# KiCad board gd rev3.kicad_pcb (continued)
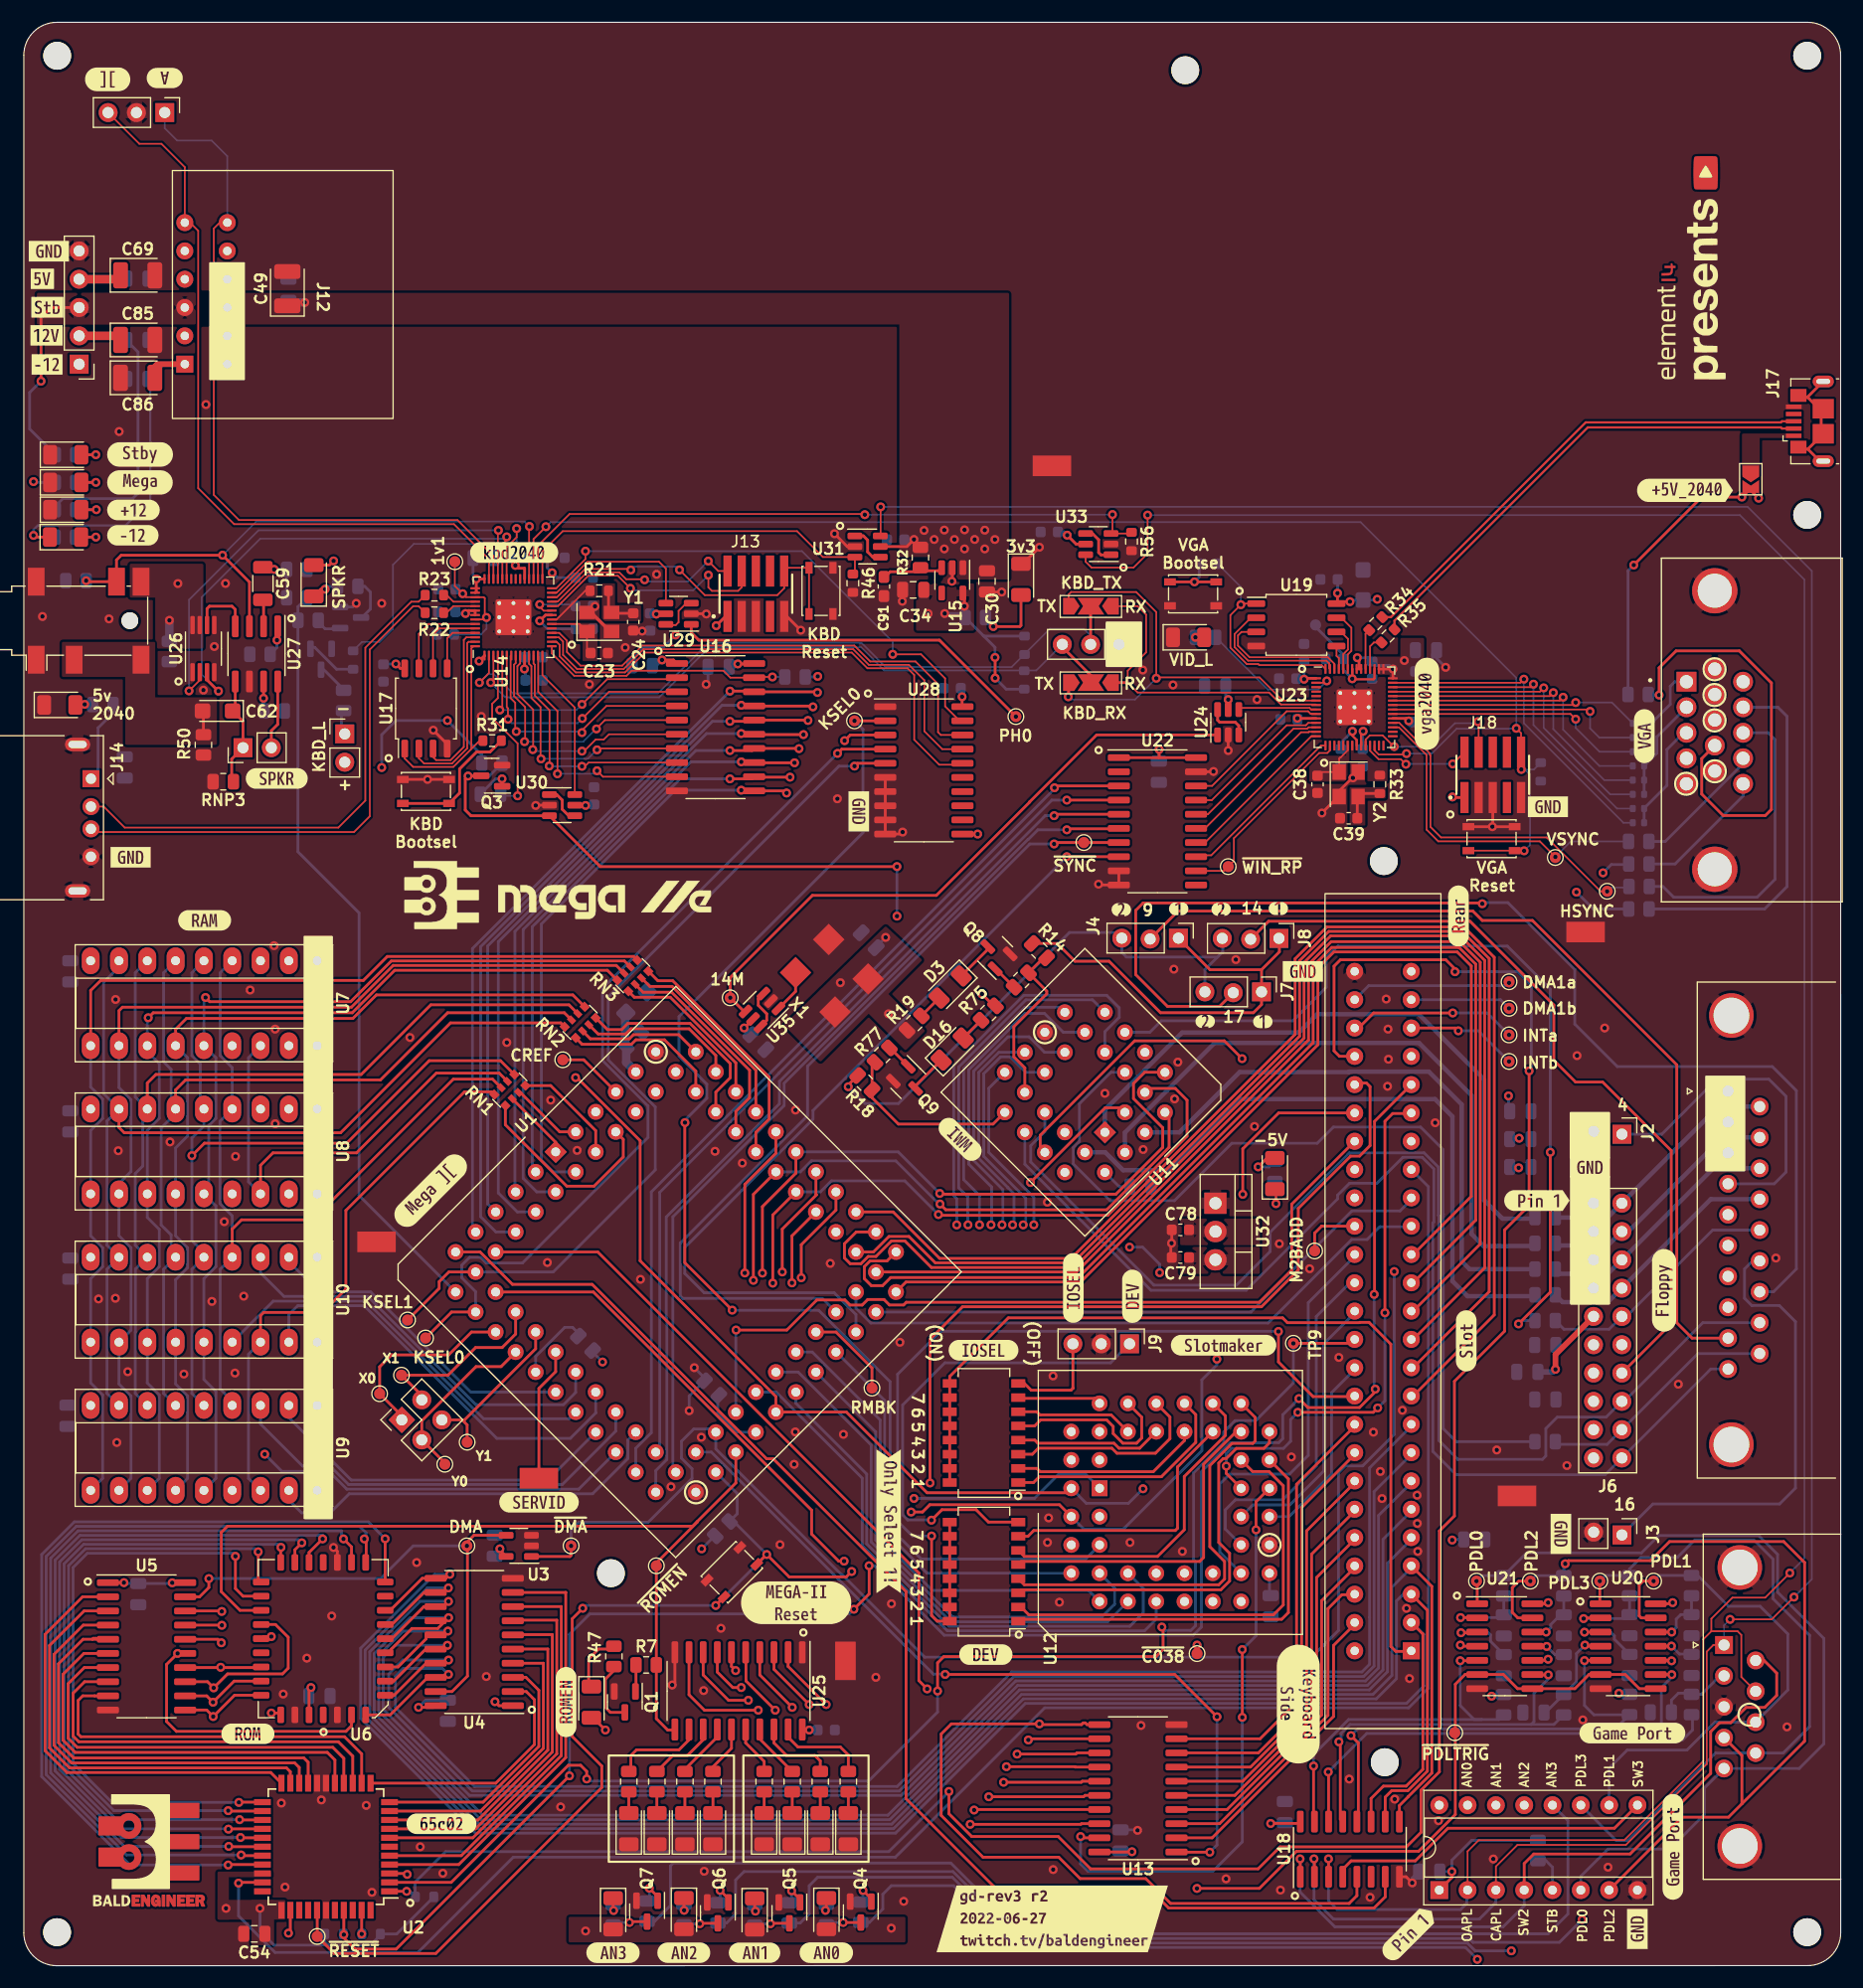
[diagram p0: board, top side]
## Routing (per net, layer and track width the routed paths; a pad name or vN(x,y) marks a point on that pad's centre or on a via; arc(x,y) is an arc through that point) (continued)
/Slot/~{IRQ}: length 207.3
  Top w0.25: v1(73.6,36.3) 73.11,36.3 70.69,38.73 70.69,40.87 51.1,60.45 U1.15 ; 119.55,79.2 120.47,79.2 120.79,78.88 120.79,73.59 119.85,72.65 119.05,72.65 114.35,67.95 114.35,62.43 111.05,59.13 84.23,59.13 81.31,56.21 v1(81.31,43.32) ; U2.43 v1(30.31,2.85)
  In1.Cu w0.25: v1(81.31,43.32) 80.3,43.32 73.6,36.62 v1(73.6,36.3) 73.32,36.03 73.32,24.3 76.82,20.8 76.82,3.11 75.29,1.59 31.57,1.59 v1(30.31,2.85)
/Slot/~{NMI}: length 211.6
  Top w0.25: v1(34.35,6.67) 32.82,6.67 ; v1(128.41,89.19) 128.41,89.44 127.59,90.26 118.13,90.26 117.56,89.69 117.56,82.09 118.05,81.6 J10.29 ; v1(135.06,80.29) 135.06,68.21 132.86,66.01 132.86,56.94 128.36,52.44 128.36,40.36 127.01,39.01 127.01,17.4 125.36,15.75 125.36,11.97 124.06,10.67 112.72,10.67 110.74,8.69 95.71,8.69 92.81,11.59 85.05,11.59 83,13.64 v1(83,15.64)
  Bottom w0.25: 35.11,6.2 35.11,7.49 37.86,10.24 77.61,10.24 83,15.63 v1(83,15.64) ; v1(135.06,80.29) 135.26,80.49 135.26,87.94 134.01,89.19 v1(128.41,89.19) ; v1(34.35,6.67) 34.63,6.67 R2.2
/Slot/~{RDY}: length 169.3
  Top w0.25: v1(74.48,31.99) 75.85,33.36 75.85,35.88 v1(75.84,35.89) ; J10.21 121.19,75.76 121.19,60.27 v1(121.16,60.24) ; v1(114.41,50.89) 115.22,50.08 119.84,50.08 121.26,51.5 v1(121.26,51.74) ; v1(48.96,17.04) 33.42,1.5 29.72,1.5 28.71,2.5 v1(28.71,2.79) U2.41
  Bottom w0.25: v1(74.48,31.99) 74.05,31.56 50.78,31.56 48.96,29.74 v1(48.96,17.04) ; v1(121.26,51.74) 121.16,51.84 v1(121.16,60.24) ; v1(114.41,50.89) 112.96,49.44 112.96,47.29 112.6,46.93 108.25,46.93 105.66,44.34 105.66,30.39 104.92,29.65 82.58,29.65 76.35,35.89 v1(75.84,35.89)
/VID_RX: length 29.1
  Top w0.152: JP1.1 99.93,121.99 100.69,121.22 100.69,117.84 99.04,116.19 99.04,115.13 99.94,114.24 111.73,114.24 112.8,113.17 115.9,113.17 U23.7
  Top w0.25: JP2.1 99.04,115.13
/VID_TX: length 41
  Top w0.152: U23.6 112.95,113.52 110.87,115.6 101.69,115.6 v1(101.61,115.52) 101.61,121.46 99.81,123.26 93.96,123.26 93.74,123.03 JP1.3
  Top w0.25: JP2.3 93.74,113.89 v1(93.71,113.86)
  Bottom w0.152: v1(93.71,113.86) 93.96,113.6 99.69,113.6 v1(101.61,115.52)
/video/14M_RP: length 6.8
  Top w0.152: U23.8 115.5,112.72 115.36,112.86 109.16,112.86
/video/BLU0: length 29.3
  Top w0.152: U23.41 134.27,115.12 v1(134.59,115.44)
  Bottom w0.152: R38.2 143.52,102.55 134.59,111.49 v1(134.59,115.44)
/video/BLU1: length 28.4
  Top w0.152: v1(135.45,114.99) 135.18,114.72 U23.40
  Bottom w0.152: R39.2 142.95,103.83 135.45,111.33 v1(135.45,114.99)
/video/D_N: length 3.2
  Top w0.152: R35.2 121.13,118.73 120.79,118.38 U23.46
/video/D_P: length 3.6
  Top w0.152: R34.2 120.38,119.5 120.38,116.36
/video/GRN0: length 27.7
  Top w0.152: v1(136.37,114.66) 136.03,114.32 U23.39
  Bottom w0.152: v1(136.37,114.66) 136.37,111.07 142.33,105.1 R40.2
/video/GRN1: length 26.8
  Top w0.152: v1(137.23,114.23) 136.92,113.92 U23.38
  Bottom w0.152: R41.2 141.81,106.38 137.23,110.96 v1(137.23,114.23)
/video/GRN2: length 25.9
  Top w0.152: U23.37 137.81,113.52 v1(138.11,113.82)
  Bottom w0.152: R42.2 141.36,107.65 138.11,110.91 v1(138.11,113.82)
/video/HSYNC: length 31.6
  Top w0.152: U23.32 123.41,111.52 126.16,108.76 126.16,108.63 126.21,108.59 126.21,102.19 127.16,101.24 136.64,101.24 141.48,96.4 v1(142.06,96.4)
  Bottom w0.152: v1(142.06,96.4) 142.4,96.74 143.56,96.74 144.01,97.19
/video/RED0: length 22.4
  Top w0.152: U23.36 139.01,113.12 v1(139.24,113.35)
  Bottom w0.152: v1(139.24,113.35) 142.49,113.35 R43.2
/video/RED1: length 23.5
  Top w0.152: U23.35 140.36,112.72 v1(140.53,112.55)
  Bottom w0.152: v1(140.53,112.55) 140.53,111.03 141.35,110.2 R44.2
/video/RED2: length 23.4
  Top w0.152: U23.34 138.77,112.32 v1(139.24,111.85)
  Bottom w0.152: R45.2 141.38,108.93 139.24,111.07 v1(139.24,111.85)
/video/RGB1_RP: length 13.9
  Top w0.152: U23.14 115.52,110.32 105.98,100.78
/video/RGB2_RP: length 13.6
  Top w0.152: U23.13 115.31,110.72 115.27,110.68 114.6,110.68 105.97,102.05
/video/RGB4_RP: length 14
  Top w0.152: U22.16 106.24,103.32 113.92,111 115.16,111 115.28,111.12 U23.12
/video/RGB8_RP: length 13.6
  Top w0.152: U22.17 106.59,104.59 113.31,111.3 115.03,111.3 115.25,111.52 U23.11
/video/USB_D+: length 44.2
  Top w0.2: J17.3 157.75,138.58 157.65,138.48 140.13,138.48 122.66,121.01 R34.1
/video/USB_D-: length 43.8
  Top w0.2: R35.1 122.98,120.69 140.32,138.03 157.65,138.03 157.75,137.93 J17.2
/video/VGA_B: length 9.5
  Bottom w0.25: 148.92,110.63 147.42,109.13 147.42,105.9 145.38,103.86 ; R39.1 R38.1
/video/VGA_G: length 9.4
  Bottom w0.25: R40.1 R42.1 146.52,108.8 146.52,110.26 J22.2
/video/VGA_R: length 8.8
  Bottom w0.25: J22.1 148.13,115.21 147.72,114.8 147.72,113.18 146.02,111.47 R43.1 R45.1
/video/VGA_SCL: length 12.1
  Bottom w0.25: RNP2.1 148.15,98.86 154.25,104.96 J22.15
/video/VGA_SDA: length 32.8
  Bottom w0.25: J22.12 157.36,112.92 157.37,112.93 158.2,112.1 158.2,96.83 156.19,94.82 RNP1.1
/video/vid_LED_L: length 13.3
  Top w0.152: U23.2 116.75,115.12 v1(116.91,115.28)
  Bottom w0.152: R36.1 111.63,114.51 116.14,114.51 v1(116.91,115.28)
/video/vid_QSPI_SCLK: length 3.8
  Top w0.152: 118.18,119.68 118.81,119.05 118.81,118.1 118.39,117.68 U23.52
/video/vid_QSPI_SD0: length 2.1
  Top w0.152: U23.53 117.99,117.32 117.78,117.53 U19.5
/video/vid_QSPI_SD1: length 12.9
  Top w0.152: 110.09,120.95 108.63,119.49 108.63,118.32 109.85,117.1 116.87,117.1 117.12,116.86 117.12,116.43 U23.55
/video/vid_QSPI_SD2: length 12.5
  Top w0.152: U23.54 117.59,116.82 117,117.4 109.98,117.4 108.94,118.44 108.94,119.36 109.25,119.68 U19.3
/video/vid_QSPI_SD3: length 5.1
  Top w0.152: U23.51 118.79,117.65 119.11,117.98 119.11,120.05 118.21,120.95
/video/vid_QSPI_SS: length 19.5
  Top w0.152: 110.58,122.22 109.29,122.22 v1(109.2,122.12) 108.26,121.18 108.26,118.26 109.72,116.79 110.75,116.79 110.85,116.7 116.44,116.7 U23.56
  Bottom w0.152: R73.2 109.2,123.71 v1(109.2,122.12)
/video/vid_SWCLK: length 14.9
  Top w0.152: J18.04 130.53,111.56 v1(130.46,111.63) ; U23.24 120.39,110.02 120.77,110.4 121.91,110.4 122.96,109.35 v1(122.96,109.39)
  Bottom w0.152: v1(130.46,111.63) 130.32,111.49 128.41,111.49 126.31,109.39 v1(122.96,109.39)
/video/vid_SWD: length 9.8
  Top w0.152: v1(124.01,107.81) 123.93,107.88 123.93,107.88 123.55,108.26 121.55,108.26 120.79,109.02 U23.25 ; 128.25,107.88 J18.02
  Bottom w0.152: v1(128.21,107.84) 124.03,107.84 v1(124.01,107.81)
/video/vid_XIN: length 4.3
  Top w0.152: 116.4,107.1 Y2.1 118.02,108.32 118.09,108.4 118.14,108.4 118.79,109.05 U23.20
/video/VSYNC: length 30.5
  Top w0.152: v1(137.41,99.49) 136.02,100.89 126.91,100.89 125.86,101.94 125.86,108.64 123.38,111.12 U23.31
  Bottom w0.152: R55.2 138.8,100.88 v1(137.41,99.49)
/video/~{RESET_RP}: length 13.6
  Top w0.152: 105.18,105.86 106.61,105.86 113.31,112.56 115.23,112.56 115.47,112.32 U23.9
/video/~{SYNC_RP}: length 15.3
  Top w0.152: U23.15 116.38,109.48 106.54,99.63 105.55,99.63
/video/~{WINDOW_RP}: length 18.1
  Top w0.152: U22.12 107.68,98.24 108.57,99.13 108.57,101.16 116.22,108.81 116.95,108.81 117.19,109.05 U23.16
Net-(C24-Pad1): length 3.5
  Top w0.25: C24.1 52.81,121.35 ; R21.2 52.46,121.7
Net-(C39-Pad1): length 3.5
  Top w0.25: R33.2 119.99,105.18 ; C39.1 119.64,104.83
Net-(C47-Pad1): length 6.5
  Top w0.25: U20.3 140.04,29.94 v1(140.03,29.93)
  Bottom w0.25: v1(140.03,29.93) 142.38,29.93 142.71,29.6 142.71,29.3 C47.1
Net-(C52-Pad1): length 6.4
  Top w0.25: v1(128.95,29.88) 130.34,29.88
  Bottom w0.25: C52.1 131.6,29.11 131.6,29.69 131.35,29.94 129.01,29.94 v1(128.95,29.88)
Net-(C53-Pad1): length 6.8
  Top w0.25: v1(128.91,31.24) 130.37,31.24
  Bottom w0.25: 132.54,31.24 v1(128.91,31.24) ; R62.2 C53.1
Net-(C59-Pad2): length 2.3
  Top w0.25: U27.2 21.51,122.49
Net-(C60-Pad1): length 2.6
  Top w0.25: v1(21.51,113.72) 21.51,113.73 U27.7
  Bottom w0.25: v1(21.51,113.72) 21.51,112.63
Net-(C70-Pad1): length 7
  Top w0.25: v1(139.95,31.15) 140.01,31.21 U20.2
  Bottom w0.25: v1(139.95,31.15) 143.71,31.15 ; C70.1 R63.2
Net-(C71-Pad1): length 3.5
  Top w0.25: U20.11 147.82,28.67 v1(147.83,28.68)
  Bottom w0.25: 149.6,27.97 148.54,27.97 v1(147.83,28.68)
Net-(C72-Pad1): length 3.1
  Top w0.25: v1(136.64,28.65) 135.37,28.65
  Bottom w0.25: v1(136.64,28.65) 137.37,27.92 C72.1
Net-(C73-Pad1): length 6
  Top w0.25: U20.12 v1(147.85,29.94)
  Bottom w0.25: v1(147.85,29.94) 148.26,30.35 148.26,31.1 148.67,31.51 C73.1 R70.2
Net-(C74-Pad1): length 5
  Top w0.25: U21.12 v1(136.59,29.94)
  Bottom w0.25: R71.2 C74.1 ; 137.88,31.49 137,30.61 137,30.35 v1(136.59,29.94)
Net-(D1-Pad1): length 4.5
  Top w0.25: 52.58,28.41 51.57,28.41 50.68,27.52 50.68,25.3
Net-(D2-Pad1): length 2.5
  Top w0.25: D2.1 26.66,123.51 v1(27.03,123.51)
  Bottom w0.25: v1(27.03,123.51) 27.29,123.76 R48.2
Net-(D3-Pad1): length 3.4
  Top w0.25: 86.5,91.2 D3.1
Net-(D3-Pad2): length 2.3
  Top w0.25: D3.2 R19.2
Net-(D4-Pad2): length 3.1
  Top w0.25: v1(6.47,128.19) 5.15,128.19
  Bottom w0.25: R27.2 6.46,128.18 v1(6.47,128.19)
Net-(D5-Pad2): length 3.2
  Top w0.25: v1(6.51,130.65) 6.5,130.64 D5.2
  Bottom w0.25: v1(6.51,130.65) 4.66,130.65
Net-(D6-Pad2): length 3.1
  Top w0.25: v1(6.47,133.1) 5.17,133.1
  Bottom w0.25: v1(6.47,133.1) 6.46,133.09 R29.2
Net-(D7-Pad2): length 1.5
  Top w0.25: v1(5.47,113.18) 4.68,113.18
  Bottom w0.25: R26.2 5.49,113.16 v1(5.47,113.18)
Net-(D8-Pad2): length 6.4
  Top w0.25: v1(86.98,120.16) 86.99,120.16 89.37,120.16 89.47,120.26 D8.2
  Bottom w0.25: v1(86.98,120.16) 86.98,120.27 R51.2
Net-(D10-Pad2): length 3.1
  Top w0.25: D10.2 v1(6.47,135.58)
  Bottom w0.25: v1(6.47,135.58) R30.2
Net-(D11-Pad2): length 0.8
  Top w0.25: D11.2 v1(105.12,119.19)
Net-(D12-Pad1): length 1.6
  Top w0.25: v1(71.93,4.97) 72.01,5.05 D12.1
  Bottom w0.25: v1(71.93,4.97) 71.93,5.42
Net-(D13-Pad1): length 1.7
  Top w0.25: D13.1 65.58,4.96 v1(65.64,4.9)
  Bottom w0.25: v1(65.64,4.9) 65.64,5.4
Net-(D14-Pad1): length 1.6
  Top w0.25: D14.1 59.23,4.99 v1(59.25,4.97)
  Bottom w0.25: v1(59.25,4.97) 59.25,5.48
Net-(D15-Pad1): length 1.6
  Top w0.25: D15.1 52.88,4.99 v1(52.92,4.95)
  Bottom w0.25: v1(52.92,4.95) 52.92,5.44
Net-(D16-Pad1): length 3.3
  Top w0.25: 80.01,78.96 D16.1
Net-(D16-Pad2): length 2.3
  Top w0.25: R75.2 D16.2
Net-(D17-Pad2): length 1.9
  Top w0.25: R74.2 D17.2
Net-(D18-Pad2): length 1.9
  Top w0.25: R78.2 D18.2
Net-(D19-Pad2): length 1.9
  Top w0.25: R81.2 D19.2
Net-(D20-Pad2): length 1.9
  Top w0.25: R82.2 D20.2
Net-(D21-Pad2): length 1.9
  Top w0.25: R85.2 D21.2
Net-(D22-Pad2): length 1.9
  Top w0.25: R86.2 D22.2
Net-(D23-Pad2): length 1.9
  Top w0.25: R89.2 D23.2
Net-(D24-Pad2): length 1.9
  Top w0.25: R90.2 D24.2
Net-(D25-Pad2): length 2.8
  Top w0.25: 111.55,72.48 v1(110.75,71.68)
  Bottom w0.25: v1(110.75,71.68) 111.73,71.68 R83.2
Net-(J4-Pad2): length 82.3
  Top w0.25: J4.2 103.56,94.63 130.01,94.63 ; 130.01,94.64 130.86,93.79 135.36,93.79 148.31,80.84 148.31,57.69 149.68,56.31 J5.9
Net-(J5-Pad17): length 105.8
  Top w0.25: v1(130.86,95.29) 130.78,95.36 100.43,95.36 99.76,94.69 99.76,88.93 102.61,86.08 107.29,86.08 J7.2
  Bottom w0.25: v1(130.86,95.29) 130.96,95.39 133.16,95.39 139.16,89.39 139.16,84.49 142.97,80.68 156.88,80.68 159.04,78.52 159.04,62.52 156.99,60.47 J5.17
Net-(J6-Pad14): length 71.6
  Top w0.25: J8.2 111.69,93.72 129.75,93.72 137.28,86.2 137.28,81.24 139.23,79.29 141.66,79.29 147.81,73.14 147.81,57.61 J6.14
Net-(J22-Pad9): length 38.7
  Top w0.25: J22.9 150.54,108.31 150.54,105.13 152.47,103.2 156.25,103.2 156.8,103.75 156.8,115.1 153.92,117.98 148.25,117.98 146.72,116.45 v1(146.72,114.01)
  Bottom w0.25: v1(146.72,114.01) 145.8,114.01
Net-(J22-Pad13): length 28
  Bottom w0.25: J22.13 156.45,110.63 156.47,110.65 157.12,110 157.12,97.48 155.52,95.88 148.02,95.88 147.06,96.84 R54.1
Net-(J22-Pad14): length 11.3
  Bottom w0.25: R55.1 147.27,100.88 154.25,107.86
Net-(Q1-Pad1): length 2.3
  Top w0.25: R7.1 54.93,24.66
Net-(Q1-Pad3): length 5.6
  Top w0.25: 52.94,26.48 52.18,25.72 52.18,23.18 52.63,22.73 Q1.3
Net-(Q2-Pad1): length 2.1
  Bottom w0.25: 28.32,119.95 27.03,119.95 26.42,120.57
Net-(Q2-Pad3): length 3.9
  Bottom w0.25: 30.34,120.97 31.1,121.73 31.1,123.26 30.59,123.76 R48.1
Net-(Q3-Pad1): length 3.2
  Top w0.25: v1(42.91,106.49) 42.91,105.83
  Bottom w0.25: R52.1 42.34,106.49 v1(42.91,106.49)
Net-(Q4-Pad1): length 1.9
  Top w0.25: 76.05,5.99 v1(75.29,6.74)
  Bottom w0.25: v1(75.29,6.74) 75.29,5.91
Net-(Q4-Pad3): length 2.9
  Top w0.25: Q4.3 v1(73.52,3.88)
  Bottom w0.25: v1(73.52,3.88) 72.21,3.88
Net-(Q5-Pad1): length 1.9
  Top w0.25: 69.64,5.96 v1(68.89,6.72)
  Bottom w0.25: v1(68.89,6.72) 68.89,5.85
Net-(Q5-Pad3): length 3
  Top w0.25: Q5.3 67.03,3.8 v1(66.99,3.76)
  Bottom w0.25: v1(66.99,3.76) 65.7,3.76
Net-(Q6-Pad1): length 2
  Top w0.25: 63.22,6.01 v1(62.47,6.76)
  Bottom w0.25: v1(62.47,6.76) 62.47,5.85
Net-(Q6-Pad3): length 3
  Top w0.25: v1(60.65,3.76) 60.69,3.8 Q6.3
  Bottom w0.25: v1(60.65,3.76) 59.31,3.76
Net-(Q7-Pad1): length 2
  Top w0.25: 56.87,6.2 v1(56.12,6.95)
  Bottom w0.25: v1(56.12,6.95) 56.12,6
Net-(Q7-Pad3): length 2.9
  Top w0.25: v1(54.34,3.88) 54.42,3.96 Q7.3
  Bottom w0.25: v1(54.34,3.88) 53.09,3.88
Net-(Q8-Pad1): length 2.3
  Top w0.25: 87.2,89.45 R76.2
Net-(Q9-Pad1): length 2.3
  Top w0.25: 77.71,82.36 Q9.1
Net-(Q10-Pad1): length 4.6
  Bottom w0.25: 25.72,118.29 26.11,118.29 28.07,116.33 R84.1
Net-(R24-Pad2): length 2.2
  Top w0.25: v1(57.26,117.16) 58.28,117.16 U16.1
  Bottom w0.25: 56.75,116.65 v1(57.26,117.16)
Net-(R31-Pad1): length 12.4
  Top w0.25: SW5.2 SW5.2 ; R31.1 41.83,108.91 40.62,108.91 39.1,107.38 39.1,105.22 38.17,104.29
Net-(R73-Pad1): length 6
  Top w0.25: SW6.2 v1(105.03,124.17) SW6.2
  Bottom w0.25: R73.1 105.46,124.59 v1(105.03,124.17)
Net-(R74-Pad1): length 8
  Top w0.25: 54.47,17.61 54.47,18.86 54.97,19.37 58.78,19.37 59.69,20.27 U25.12
Net-(R78-Pad1): length 4.5
  Top w0.25: U25.16 64.77,19.99 66.43,18.33 R78.1
Net-(R80-Pad1): length 2.1
  Bottom w0.25: 28.5,112.89 28.5,110.83
Net-(R80-Pad2): length 2.4
  Bottom w0.25: 26.8,116.41 28.5,114.71
Net-(R81-Pad1): length 6.3
  Top w0.25: R81.1 58.23,18.86 59.55,18.86 60.96,20.27 U25.13
Net-(R82-Pad1): length 4.1
  Top w0.25: 66.04,20.34 R82.1
Net-(R85-Pad1): length 4.1
  Top w0.25: 59.32,17.62 62.23,20.53
Net-(R86-Pad1): length 7
  Top w0.25: U25.18 67.31,19.99 68.44,18.86 70.98,18.86 71.46,18.38 R86.1
Net-(R89-Pad1): length 4.5
  Top w0.25: R89.1 61.83,17.85 63.5,19.51 U25.15
Net-(R90-Pad1): length 7.5
  Top w0.25: R90.1 73.98,18.91 73.26,19.62 69.45,19.62 68.58,20.5
Net-(U15-Pad3): length 5.3
  Top w0.25: U15.3 82.08,125.16 80.37,125.16 ; 77.27,124.61 77.73,125.08 80.28,125.08
Net-(U24-Pad3): length 3.9
  Top w0.25: U24.3 109.01,111.26 108.7,111.57 107.3,111.57 107.11,111.76 U24.6
Net-(U30-Pad1): length 3.5
  Top w0.25: U30.4 48.89,103.18 48.31,103.76 48.31,104.58 47.81,105.08 U30.1
Net-(U31-Pad1): length 3.7
  Top w0.25: 76.87,126.4 76.17,126.4 75.71,126.86 75.71,127.92 75.33,128.3 74.6,128.3
Net-(U33-Pad1): length 3.4
  Top w0.25: 97.27,126.59 96.65,126.59 96.44,126.8 96.44,127.95 95.9,128.49 95.31,128.49
Net-(U35-Pad3): length 3.7
  Top w0.25: U35.3 65.9,86.76 65.9,86.17 66.66,85.41 66.66,84.83 U35.6
unconnected-(J17-Pad6): length 11.2
  Top w0.25: 161.26,134.88 160.06,136.08 ; 160.06,136.08 161.26,137.27 161.26,139.52 160.06,140.72 159.03,140.72 ; 160.06,136.08 159.03,136.08 ; 161.26,141.97 160,140.72

## Copper pours and planes (outline as drawn; the poured copper is in the pictures)
+3V3 on Top: 85.27,119.79 80.05,119.79 80.05,124.04 85.27,124.04
+3V3 on Top, Bottom: 125.64,115.38 122.54,115.38 122.54,115.84 121.07,115.84 121.01,117.47 123.5,117.47 123.5,119.14 125.64,119.14
+3V3 on In2.Cu: 142.3,95.57 85.71,95.57 85.81,100.9 31.45,100.9 31.45,127.57 142.3,127.57
+5V on Top: 16.12,118.18 11.79,118.18 11.79,122.75 9.51,122.75 9.51,125.8 16.11,125.8
+5V on Top: 22.21,7.94 18.4,7.94 18.4,4.13 17.38,4.13 17.38,8.45 22.21,8.45
+5V on Top: 79.1,2.1 48.88,2.1 48.88,4.38 79.1,4.38
+5V on Top: 80.63,90.24 77.58,87.19 80.88,83.89 79.1,82.11 75.8,85.41 71.48,81.09 68.18,84.39 77.33,93.28
+5V on Top: 22.46,1.84 20.43,1.84 20.43,5.91 22.46,5.91
+5V on Top: 23.48,4.13 17.38,4.13 17.38,5.91 23.48,5.91
+5V on Bottom: 6.71,62.8 2.9,62.8 2.9,64.33 6.71,64.33
+5V on Bottom: 6.71,89.47 2.9,89.47 2.9,91 6.71,91
+5V on Bottom: 141.84,54.42 136.51,54.42 136.51,56.96 141.84,56.96
+5V on Bottom: 6.71,49.6 2.9,49.6 2.9,51.12 6.71,51.12
+5V on Bottom: 6.71,76.01 2.9,76.01 2.9,77.54 6.71,77.54
+5V on In2.Cu: 147.43,75.5 132.44,75.5 132.44,79.06 147.43,79.06
+5V on In2.Cu: 150.48,27.32 154.1,27.32 154.1,24.74 115.43,24.74 115.43,10.99 110.6,10.99 110.6,36.64 150.48,36.64
+5V on In2.Cu: 47.1,9.72 133.97,9.72 133.97,1.08 3.16,1.08 3.16,47.56 47.1,47.56
+5V on In2.Cu: 119.49,7.94 94.09,7.94 94.09,14.54 119.49,14.54
+5V on In2.Cu: 7.48,46.55 2.9,46.55 2.9,92.52 7.48,92.52
+5V on In2.Cu: 88.5,85.92 87.49,84.9 85.71,86.68 80.12,81.09 79.1,82.11 85.71,88.71
+5V on In2.Cu: 132.72,23.65 131.05,23.65 131.05,25.18 132.72,25.18
+5V on In2.Cu: 28.3,117.41 12.3,117.41 12.3,92.27 2.9,92.27 2.9,95.32 8.24,95.32 8.24,127.07 28.3,127.07
+5V on In2.Cu: 154.8,63.23 150.48,63.23 150.48,34.1 145.14,34.1 145.14,54.42 139.05,54.42 139.05,56.96 145.14,56.96 145.14,65.98 154.8,65.98
+5V on In2.Cu: 143.92,23.68 142.25,23.68 142.25,25.2 143.92,25.2
+5V on In2.Cu: 8.49,152.48 12.05,152.48 12.05,150.34 3.77,150.34 3.77,150.4 3.83,150.4 3.83,152.49 8.49,152.49
+5V on In2.Cu: 28.3,117.41 20.43,117.41 20.43,167.45 16.1,167.45 16.1,150.34 3.17,150.34 3.17,173.29 28.56,173.29
+5V on In2.Cu: 71.74,19.37 46.59,19.37 46.59,23.69 71.74,23.69
+5V on In2.Cu: 81.39,64.84 95.87,64.84 95.87,72.46 98.15,72.46 98.15,62.55 79.36,62.55 79.36,82.87 81.39,82.87
+5V on In2.Cu: 81.39,80.58 67.42,80.58 67.42,83.38 57.01,83.38 57.01,78.81 52.69,78.81 52.69,92.27 10.78,92.27 10.78,98.11 81.39,98.11
+5V on In2.Cu: 148.7,61.53 145.14,61.53 145.14,87.7 122.79,87.7 122.79,91 148.7,91
+5V_2040 on Top: 88.4,124.37 78.55,124.37 78.55,124.4 81.36,124.4 81.36,126.4 78.55,126.4 78.55,147.26 1.18,147.26 1.18,150.1 88.4,150.1
+5V_2040 on Top: 15.54,147.3 8.13,147.29 8.13,147.29 3.44,147.29 3.46,150.08 15.57,150.13
+5V_2040 on Bottom: 10.52,105.22 4.43,105.22 4.43,107.76 10.52,107.76
+5V_2040 on In1.Cu: 4.43,108.02 33.13,108.02 33.13,105.12 4.38,105.12 4.38,108.07
+5V_2040 on In2.Cu: 87.39,124.37 83.83,124.37 83.83,126.41 82.81,126.41 82.81,124.37 81.54,124.37 81.54,128.74 87.39,128.74
+5V_2040 on In2.Cu: 156.02,126.51 150.43,126.51 150.43,126.46 79.46,126.46 79.46,133.02 156.02,133.02
+5V_2040 on In2.Cu: 15.55,147.28 8.05,147.28 8.05,105.18 2.65,105.18 2.65,150.28 15.55,150.28
+12V on Bottom: 142.1,49.34 136.76,49.34 136.76,51.88 142.1,51.88
+12V on In1.Cu: 142.35,47.82 128.38,47.82 128.38,26.48 117.2,26.48 117.2,29.78 125.59,29.78 125.59,53.15 142.35,53.15
+12V on In1.Cu: 158.07,45.79 138.54,45.79 138.29,56.96 149.24,56.96 149.24,144.96 1.13,144.96 1.13,155.26 158.07,155.26
-5V on Top: 110.9,62.08 103.75,62.08 103.75,64.5 110.9,64.5
-12V on Top: 110.91,64.65 103.75,64.65 103.75,67.04 110.91,67.04
GND on Top, Bottom, In1.Cu, In2.Cu: 171.05,-4.51 -8.78,-4.51 -8.78,179.64 171.05,179.64
/Audio/EAR on Top: 11.79,113.81 17.33,113.81 17.33,109.54 9.1,109.54 9.1,115.64 3.41,115.64 3.41,118.79 11.79,118.79
/rp2040-keyboard/KBD_XIN on Top: 51.48,117.06 50.14,117.06 50.14,118.8 49.53,118.8 49.53,120.29 46.91,120.29 46.91,120.49 51.48,120.49
/rp2040-keyboard/KBD_XOUT on Top: 51.49,122.73 49.5,122.73 49.5,120.69 46.95,120.69 46.95,120.9 47.8,120.89 48.07,121.18 48.02,121.9 49.82,123.7 49.82,124.06 51.49,124.06
/video/vid_XIN on Top: 118.92,108.04 118.77,108.04 118.77,106.25 115.33,106.25 115.33,107.59 116.31,108.58 118.65,108.58 118.65,109.94 118.92,109.94
/video/vid_XOUT on Top: 119.33,108.82 120.29,108.83 121.19,108.03 122.36,108.03 122.36,106.27 120.55,106.27 120.55,108.15 119.08,108.15 119.08,109.94 119.33,109.94
Net-(C24-Pad1) on Top: 53.05,122.08 55.38,122.08 55.4,120.65 51.87,120.65 51.87,124.04 53.05,124.04
Net-(C39-Pad1) on Top: 122.19,104.74 120.36,104.74 120.36,102.31 118.96,102.31 118.96,105.75 122.19,105.75
Net-(J17-Pad1) on Top: 159.45,137.08 155.75,137.08 155.75,133.68 154.15,133.68 154.15,137.48 159.45,137.48

## Text on the board
B.Silkscreen: AN0 | OAPL | AN1 | CAPL | SW2 | AN2 | AN3 | STB | PDL3 | PDL0 | PDL1 | PDL2 | SW3 | X0 | X1 | Y0 | Y1 | I think I forgot something ... | 9 | 17 | 14
F.Silkscreen: AN0 | OAPL | AN1 | CAPL | SW2 | AN2 | AN3 | STB | PDL3 | PDL0 | PDL1 | PDL2 | SW3 | X0 | X1 | Y0 | Y1 | 5v / 2040 | - | + | ~{RESET} | KSEL1 | KBD / Bootsel | KSEL0 | DMA | CREF | ~{DMA} | 14M | KBD / Reset | RMBK | PH0 | 3v3 | TX | ~{SYNC} | KBD_TX | KBD_RX | RX | 9 | ~{C038} | VID_L | VGA / Bootsel | 17 | 14 | -5V | ~{WIN_RP} | ~{PDLTRIG} | VGA / Reset | INTa | INTb | DMA1a | DMA1b | VSYNC | HSYNC | 4 | 16 | ~{ROMEN} | KBD_L | SPKR | 1v1 | M2BADD | 7 | 6 | 5 | 3 | 2 | 1 | (ON) | (OFF)
User.1: 132.36 / 45.8 / 188.16 / 85.7
